# Altium PCB LED fix910 RD 2000278 (4F00224A_7P00494A).PcbDoc (part 1 of 3)
Units mm, origin at the board's own origin, x right, y up, seen from the top; angles counter-clockwise.
Board outline 400 x 428 mm, 2 copper layers (Top Layer, Bottom Layer); 462 components, 214 nets, 1551 pads, 0 vias.
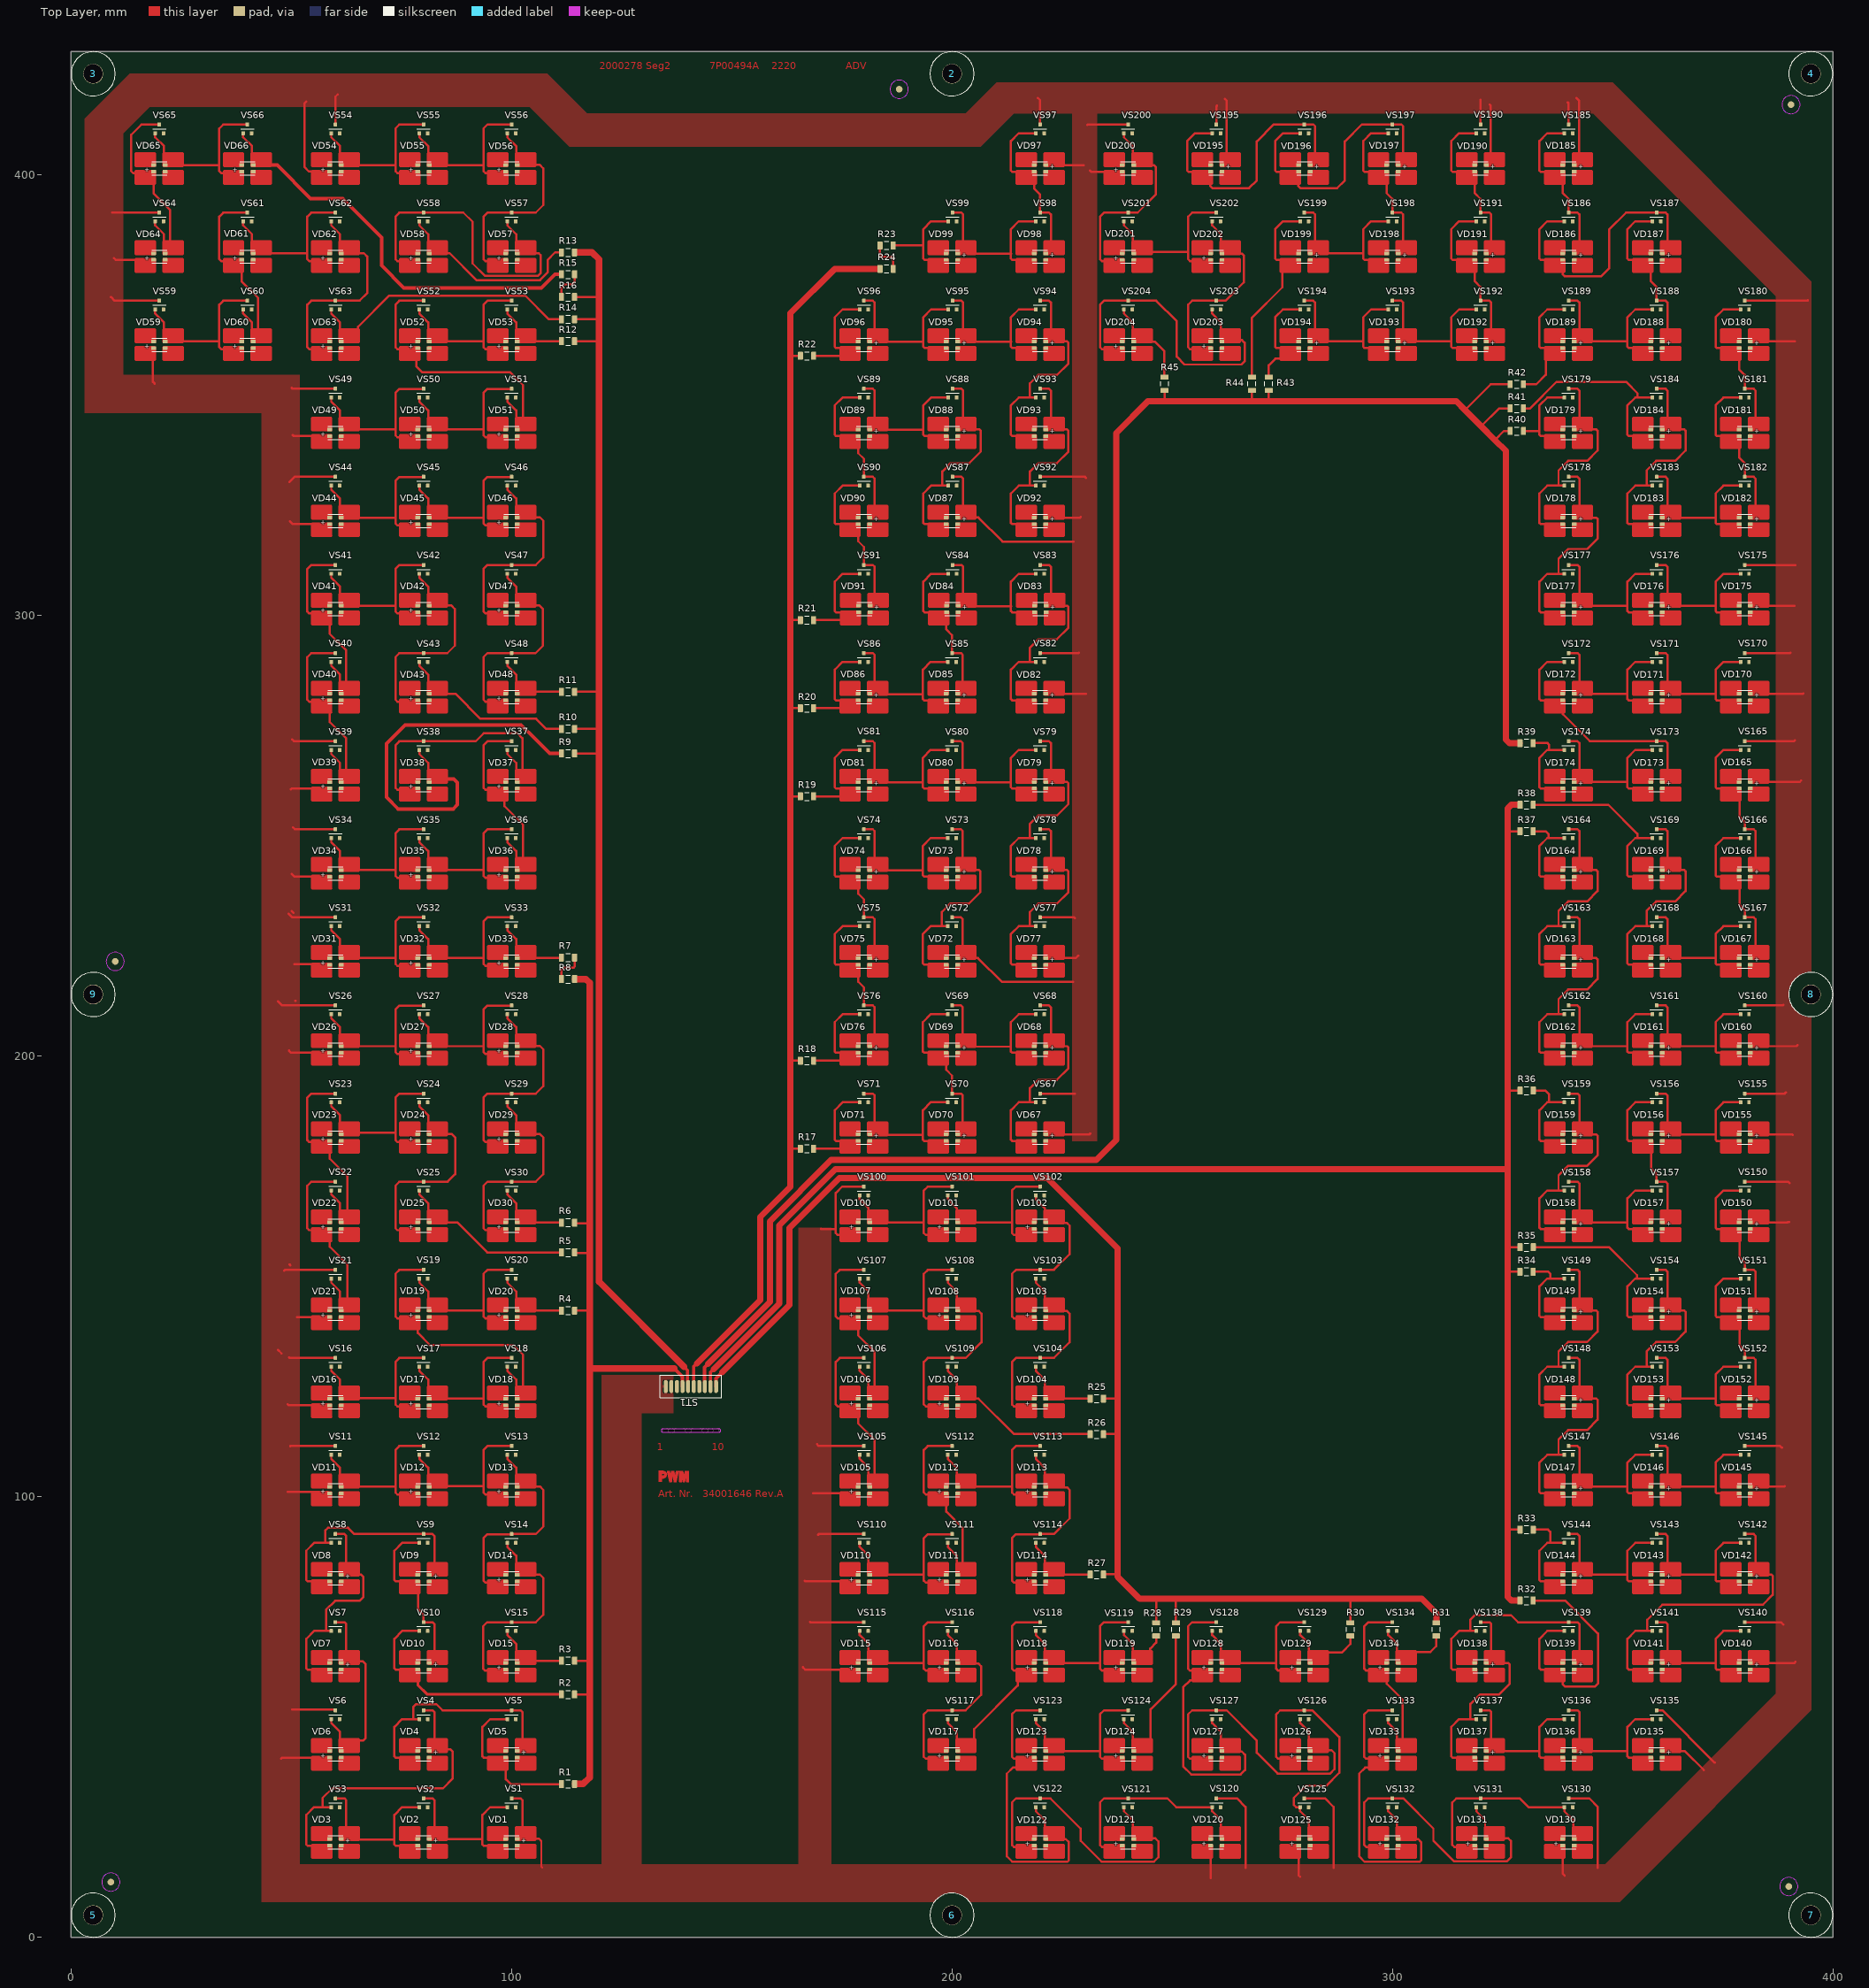
[diagram p0: Top Layer view]
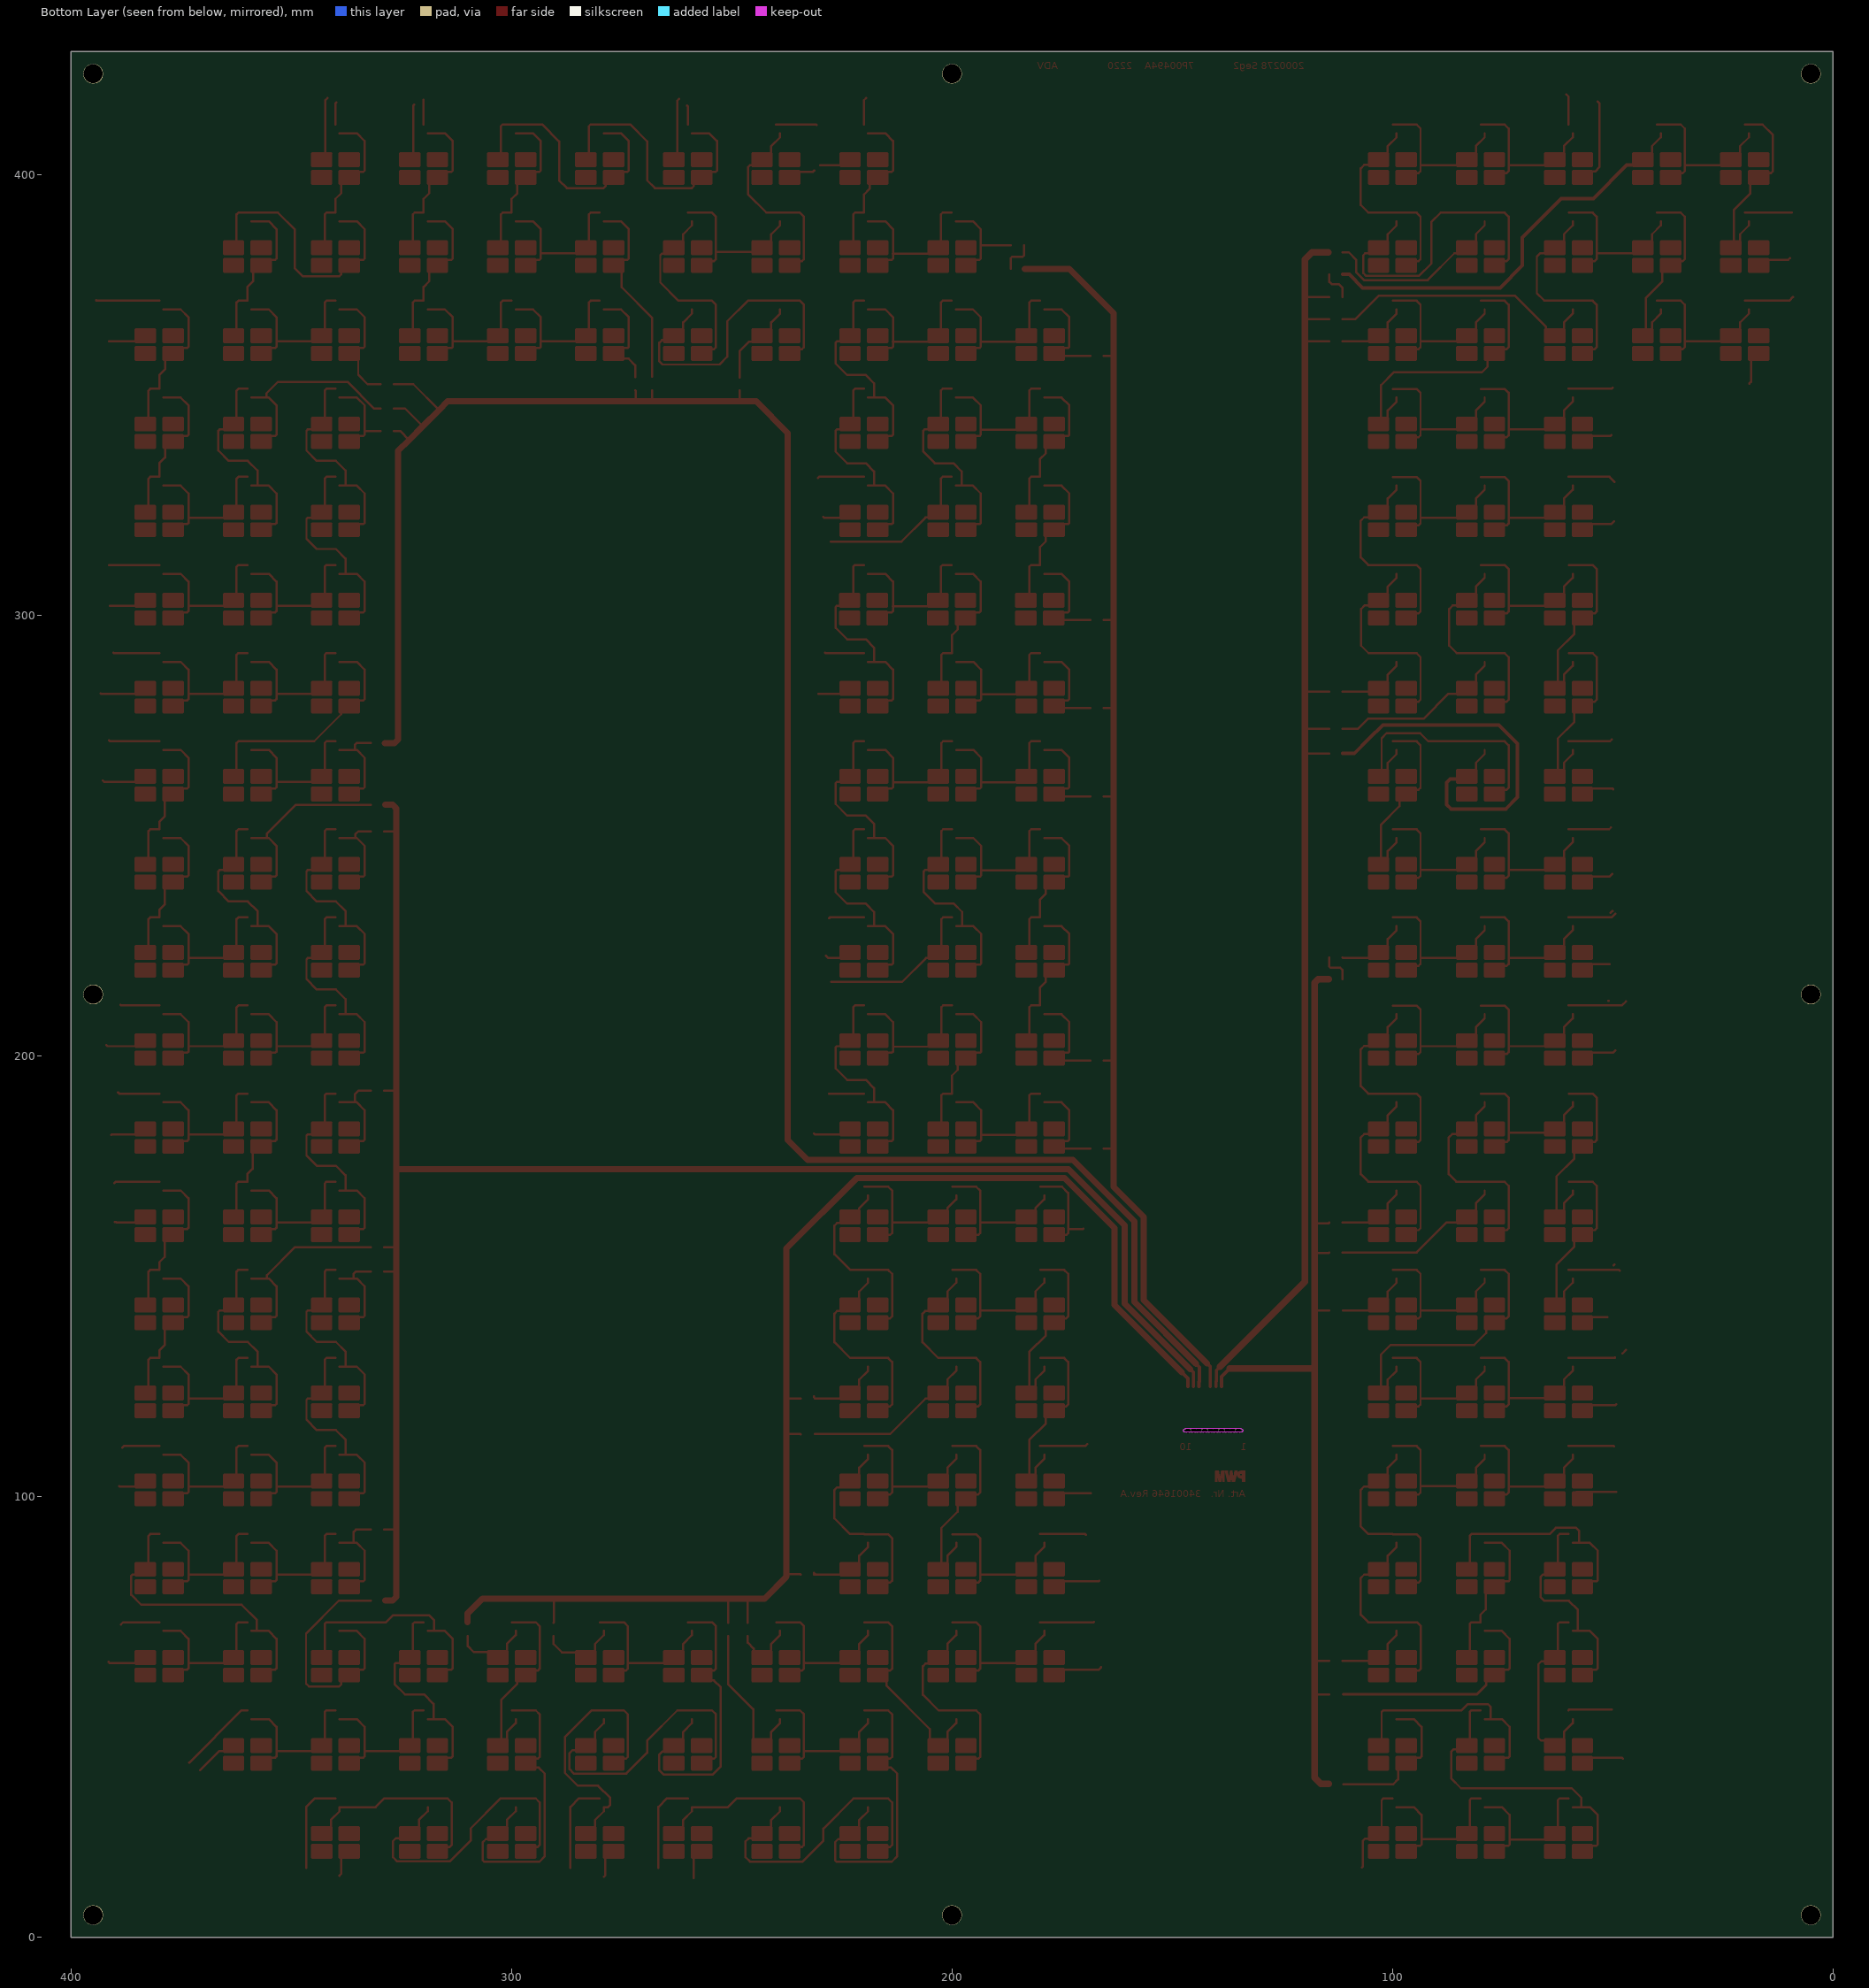
[diagram p1: Bottom Layer view, seen from below]
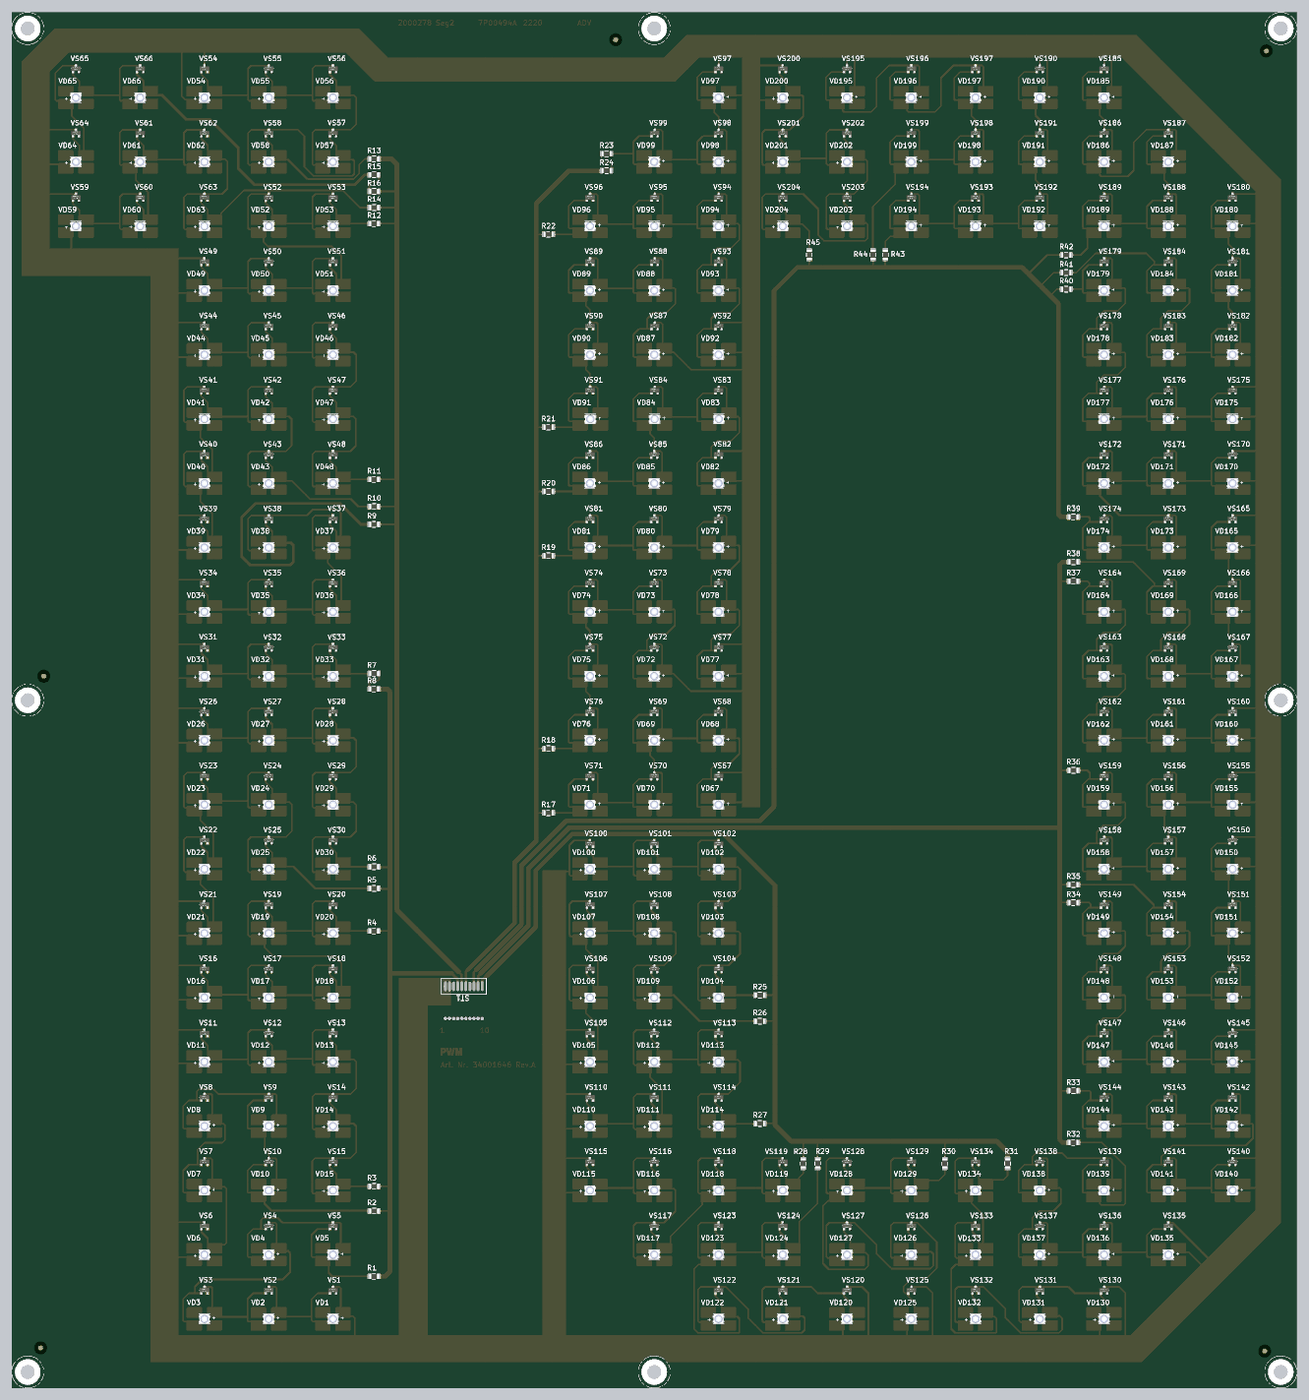
[diagram p4: 3D render of the assembled board from above, using the file's embedded part models]

## Layer stack, top to bottom
Top Solder: solder mask 0.0102, Solder Resist, Dk 3.5
Top Layer: signal copper 0.0356
Dielectric 1: dielectric 0.32, FR-4, Dk 4.8
Bottom Layer: signal copper 0.0356
Bottom Solder: solder mask 0.0102, Solder Resist, Dk 3.5

## Board outline
0,0 0,428 400,428 400,0

## Design rules (kind name [scope] priority, off if disabled: settings)
Clearance [All] p1: gap=0.3 ignorepadtopadclearanceinfootprint=FALSE
HoleSize [All] p1: absolutevalues=TRUE maxlimit=5 minlimit=0.025 maxpercent=80.000 minpercent=20.000
PlaneConnect [All] p1: planeconnectstyle=Relief reliefexpansion=0.508 reliefentries=4 reliefconductorwidth=0.5 reliefairgap=0.254
PolygonConnect PolygonConnect_1 [IsPolygon And InNet('ULED') And OnLayer('Top Layer') vs IsPad] p1: connectstyle=Relief reliefconductorwidth=0.75 reliefentries=4 polygonreliefangle="90 Angle" airgapwidth=0.254
PolygonConnect [All] p2: connectstyle=Relief reliefconductorwidth=0.254 reliefentries=4 polygonreliefangle="90 Angle" airgapwidth=0.254
RoutingVias [All] p1: holewidth=5 width=1.27 viastyle="Through Hole" minholewidth=0.1 minwidth=0.1 maxholewidth=10 maxwidth=10
SolderMaskExpansion [All] p1: expansion=0.102 istentingtop=FALSE
Width [All] p1: maxlimit=20 minlimit=0.1 preferedwidth=0.254
28 further rules are at their usual default settings.

## Classes and differential pairs
component class "Components Class 2": R1 VD1 VD2 VD3 VD4 VD5 VS1 VS2 VS3 VS4 VS5
component class "Components Class 1": R1 VD1 VD2 VD3 VD4 VD5 VS1 VS2
component class "LED fix910 RD 2000278 (4F00224A_7P00494A)_2": R25 R26 R27 R28 R29 R30 R31 R32 R33 R34 R35 R36 R37 R38 R39 R40 R41 R42 R43 R44 R45 VD100 VD101 VD102 VD103 VD104 VD105 VD106 VD107 VD108 VD109 VD110 VD111 VD112 VD113 VD114 VD115 VD116 VD117 VD118 VD119 VD120 VD121 VD122 VD123 VD124 VD125 VD126 VD127 VD128 VD129 VD130 VD131 VD132 VD133 VD134 VD135 VD136 VD137 VD138 VD139 VD140 VD141 VD142 VD143 VD144 VD145 VD146 VD147 VD148 VD149 VD150 VD151 VD152 VD153 VD154 VD155 VD156 VD157 VD158 VD159 VD160 VD161 VD162 VD163 VD164 VD165 VD166 VD167 VD168 VD169 VD170 VD171 VD172 VD173 VD174 VD175 VD176 VD177 VD178 VD179 VD180 VD181 VD182 VD183 VD184 VD185 VD186 VD187 VD188 VD189 VD190 VD191 VD192 VD193 VD194 VD195 VD196 VD197 VD198 VD199 VD200 VD201 VD202 VD203 VD204 VS100 VS101 VS102 VS103 VS104 VS105 VS106 VS107 VS108 VS109 VS110 VS111 VS112 VS113 VS114 VS115 VS116 VS117 VS118 VS119 VS120 VS121 VS122 VS123 VS124 VS125 VS126 VS127 VS128 VS129 VS130 VS131 VS132 VS133 VS134 VS135 VS136 VS137 VS138 VS139 VS140 VS141 VS142 VS143 VS144 VS145 VS146 VS147 VS148 VS149 VS150 VS151 VS152 VS153 VS154 VS155 VS156 VS157 VS158 VS159 VS160 VS161 VS162 VS163 VS164 VS165 VS166 VS167 VS168 VS169 VS170 VS171 VS172 VS173 VS174 VS175 VS176 VS177 VS178 VS179 VS180 VS181 VS182 VS183 VS184 VS185 VS186 VS187 VS188 VS189 VS190 VS191 VS192 VS193 VS194 VS195 VS196 VS197 VS198 VS199 VS200 VS201 VS202 VS203 VS204
component class "LED fix910 RD 2000278 (4F00224A_7P00494A)_1": R1 R2 R3 R4 R5 R6 R7 R8 R9 R10 R11 R12 R13 R14 R15 R16 R17 R18 R19 R20 R21 R22 R23 R24 VD1 VD2 VD3 VD4 VD5 VD6 VD7 VD8 VD9 VD10 VD11 VD12 VD13 VD14 VD15 VD16 VD17 VD18 VD19 VD20 VD21 VD22 VD23 VD24 VD25 VD26 VD27 VD28 VD29 VD30 VD31 VD32 VD33 VD34 VD35 VD36 VD37 VD38 VD39 VD40 VD41 VD42 VD43 VD44 VD45 VD46 VD47 VD48 VD49 VD50 VD51 VD52 VD53 VD54 VD55 VD56 VD57 VD58 VD59 VD60 VD61 VD62 VD63 VD64 VD65 VD66 VD67 VD68 VD69 VD70 VD71 VD72 VD73 VD74 VD75 VD76 VD77 VD78 VD79 VD80 VD81 VD82 VD83 VD84 VD85 VD86 VD87 VD88 VD89 VD90 VD91 VD92 VD93 VD94 VD95 VD96 VD97 VD98 VD99 VS1 VS2 VS3 VS4 VS5 VS6 VS7 VS8 VS9 VS10 VS11 VS12 VS13 VS14 VS15 VS16 VS17 VS18 VS19 VS20 VS21 VS22 VS23 VS24 VS25 VS26 VS27 VS28 VS29 VS30 VS31 VS32 VS33 VS34 VS35 VS36 VS37 VS38 VS39 VS40 VS41 VS42 VS43 VS44 VS45 VS46 VS47 VS48 VS49 VS50 VS51 VS52 VS53 VS54 VS55 VS56 VS57 VS58 VS59 VS60 VS61 VS62 VS63 VS64 VS65 VS66 VS67 VS68 VS69 VS70 VS71 VS72 VS73 VS74 VS75 VS76 VS77 VS78 VS79 VS80 VS81 VS82 VS83 VS84 VS85 VS86 VS87 VS88 VS89 VS90 VS91 VS92 VS93 VS94 VS95 VS96 VS97 VS98 VS99

## Components (designator, comment, footprint, x,y, rotation, side; value= is the part's Value field where it differs from the comment)
2 "" DRILL4.3 200,423 r0 top
3 "" DRILL4.3 5,423 r0 top
4 "" DRILL4.3 395,423 r0 top
5 "" DRILL4.3 5,5 r0 top
6 "" DRILL4.3 200,5 r0 top
7 "" DRILL4.3 395,5 r0 top
8 "" DRILL4.3 395,214 r0 top
9 "" DRILL4.3 5,214 r0 top
R1 "R1206S" RC1206S 112.8,34.775 r0 top value=Pos.20
R2 "R1206S" RC1206S 112.8,55.1 r0 top value=Pos.20
R3 "R1206S" RC1206S 112.8,62.762 r0 top value=Pos.20
R4 "R1206S" RC1206S 112.8,142.225 r0 top value=Pos.20
R5 "R1206S" RC1206S 112.8,155.45 r0 top value=Pos.20
R6 "R1206S" RC1206S 112.8,162.2 r0 top value=Pos.20
R7 "R1206S" RC1206S 112.8,222.372 r0 top value=Pos.21
R8 "R1206S" RC1206S 112.8,217.511 r0 top value=Pos.20
R9 "R1206S" RC1206S 112.8,268.7 r0 top value=Pos.20
R10 "R1206S" RC1206S 112.8,274.279 r0 top value=Pos.20
R11 "R1206S" RC1206S 112.8,282.707 r0 top value=Pos.20
R12 "R1206S" RC1206S 112.8,362.291 r0 top value=Pos.20
R13 "R1206S" RC1206S 112.8,382.451 r0 top value=Pos.20
R14 "R1206S" RC1206S 112.8,367.275 r0 top value=Pos.20
R15 "R1206S" RC1206S 112.8,377.475 r0 top value=Pos.21
R16 "R1206S" RC1206S 112.8,372.325 r0 top value=Pos.20
R17 "R1206S" RC1206S 167.075,178.975 r180 top value=Pos.20
R18 "R1206S" RC1206S 167.075,198.975 r180 top value=Pos.20
R19 "R1206S" RC1206S 167.075,258.975 r180 top value=Pos.20
R20 "R1206S" RC1206S 167.075,278.975 r180 top value=Pos.20
R21 "R1206S" RC1206S 167.075,298.975 r180 top value=Pos.20
R22 "R1206S" RC1206S 167.075,358.975 r180 top value=Pos.20
R23 "R1206S" RC1206S 185.151,384.025 r180 top value=Pos.21
R24 "R1206S" RC1206S 185.151,378.73 r180 top value=Pos.20
R25 "R1206S" RC1206S 232.875,122.25 r0 top value=Pos.20
R26 "R1206S" RC1206S 232.875,114.15 r0 top value=Pos.20
R27 "R1206S" RC1206S 232.875,82.325 r0 top value=Pos.20
R28 "R1206S" RC1206S 246.375,69.875 r90 top value=Pos.20
R29 "R1206S" RC1206S 250.836,69.875 r90 top value=Pos.20
R30 "R1206S" RC1206S 290.45,69.875 r90 top value=Pos.20
R31 "R1206S" RC1206S 309.95,69.875 r90 top value=Pos.20
R32 "R1206S" RC1206S 330.47,76.411 r180 top value=Pos.20
R33 "R1206S" RC1206S 330.475,92.5 r180 top value=Pos.20
R34 "R1206S" RC1206S 330.47,151.05 r180 top value=Pos.20
R35 "R1206S" RC1206S 330.475,156.625 r180 top value=Pos.20
R36 "R1206S" RC1206S 330.475,192.2 r180 top value=Pos.20
R37 "R1206S" RC1206S 330.47,251.05 r180 top value=Pos.20
R38 "R1206S" RC1206S 330.47,257.053 r180 top value=Pos.20
R39 "R1206S" RC1206S 330.47,271.05 r180 top value=Pos.20
R40 "R1206S" RC1206S 328.245,341.9 r180 top value=Pos.20
R41 "R1206S" RC1206S 328.245,347.049 r180 top value=Pos.20
R42 "R1206S" RC1206S 328.245,352.528 r180 top value=Pos.20
R43 "R1206S" RC1206S 271.921,352.629 r270 top value=Pos.20
R44 "R1206S" RC1206S 268.1,352.625 r270 top value=Pos.20
R45 "R1206S" RC1206S 248.25,352.625 r270 top value=Pos.20
ST1 "BAND10_M" BAND10_M 135,125 r180 top
VD1 "LED, LS E65F-BBDA-1-Z, Red, OSRAM Opto Semiconductors Inc." E65F 100,21.5 r0 top value="LS E65F-BBDA-1-Z"
VD2 "LED, LS E65F-BBDA-1-Z, Red, OSRAM Opto Semiconductors Inc." E65F 80,21.5 r0 top value="LS E65F-BBDA-1-Z"
VD3 "LED, LS E65F-BBDA-1-Z, Red, OSRAM Opto Semiconductors Inc." E65F 60,21.5 r0 top value="LS E65F-BBDA-1-Z"
VD4 "LED, LS E65F-BBDA-1-Z, Red, OSRAM Opto Semiconductors Inc." E65F 80,41.5 r0 top value="LS E65F-BBDA-1-Z"
VD5 "LED, LS E65F-BBDA-1-Z, Red, OSRAM Opto Semiconductors Inc." E65F 100,41.5 r0 top value="LS E65F-BBDA-1-Z"
VD6 "LED, LS E65F-BBDA-1-Z, Red, OSRAM Opto Semiconductors Inc." E65F 60,41.5 r180 top value="LS E65F-BBDA-1-Z"
VD7 "LED, LS E65F-BBDA-1-Z, Red, OSRAM Opto Semiconductors Inc." E65F 60,61.5 r0 top value="LS E65F-BBDA-1-Z"
VD8 "LED, LS E65F-BBDA-1-Z, Red, OSRAM Opto Semiconductors Inc." E65F 60,81.5 r0 top value="LS E65F-BBDA-1-Z"
VD9 "LED, LS E65F-BBDA-1-Z, Red, OSRAM Opto Semiconductors Inc." E65F 80,81.5 r0 top value="LS E65F-BBDA-1-Z"
VD10 "LED, LS E65F-BBDA-1-Z, Red, OSRAM Opto Semiconductors Inc." E65F 80,61.5 r0 top value="LS E65F-BBDA-1-Z"
VD11 "LED, LS E65F-BBDA-1-Z, Red, OSRAM Opto Semiconductors Inc." E65F 60,101.5 r180 top value="LS E65F-BBDA-1-Z"
VD12 "LED, LS E65F-BBDA-1-Z, Red, OSRAM Opto Semiconductors Inc." E65F 80,101.5 r180 top value="LS E65F-BBDA-1-Z"
VD13 "LED, LS E65F-BBDA-1-Z, Red, OSRAM Opto Semiconductors Inc." E65F 100,101.5 r180 top value="LS E65F-BBDA-1-Z"
VD14 "LED, LS E65F-BBDA-1-Z, Red, OSRAM Opto Semiconductors Inc." E65F 100,81.5 r180 top value="LS E65F-BBDA-1-Z"
VD15 "LED, LS E65F-BBDA-1-Z, Red, OSRAM Opto Semiconductors Inc." E65F 100,61.5 r180 top value="LS E65F-BBDA-1-Z"
VD16 "LED, LS E65F-BBDA-1-Z, Red, OSRAM Opto Semiconductors Inc." E65F 60,121.5 r180 top value="LS E65F-BBDA-1-Z"
VD17 "LED, LS E65F-BBDA-1-Z, Red, OSRAM Opto Semiconductors Inc." E65F 80,121.5 r180 top value="LS E65F-BBDA-1-Z"
VD18 "LED, LS E65F-BBDA-1-Z, Red, OSRAM Opto Semiconductors Inc." E65F 100,121.5 r180 top value="LS E65F-BBDA-1-Z"
VD19 "LED, LS E65F-BBDA-1-Z, Red, OSRAM Opto Semiconductors Inc." E65F 80,141.5 r180 top value="LS E65F-BBDA-1-Z"
VD20 "LED, LS E65F-BBDA-1-Z, Red, OSRAM Opto Semiconductors Inc." E65F 100,141.5 r180 top value="LS E65F-BBDA-1-Z"
VD21 "LED, LS E65F-BBDA-1-Z, Red, OSRAM Opto Semiconductors Inc." E65F 60,141.5 r180 top value="LS E65F-BBDA-1-Z"
VD22 "LED, LS E65F-BBDA-1-Z, Red, OSRAM Opto Semiconductors Inc." E65F 60,161.5 r180 top value="LS E65F-BBDA-1-Z"
VD23 "LED, LS E65F-BBDA-1-Z, Red, OSRAM Opto Semiconductors Inc." E65F 60,181.5 r180 top value="LS E65F-BBDA-1-Z"
VD24 "LED, LS E65F-BBDA-1-Z, Red, OSRAM Opto Semiconductors Inc." E65F 80,181.5 r180 top value="LS E65F-BBDA-1-Z"
VD25 "LED, LS E65F-BBDA-1-Z, Red, OSRAM Opto Semiconductors Inc." E65F 80,161.5 r180 top value="LS E65F-BBDA-1-Z"
VD26 "LED, LS E65F-BBDA-1-Z, Red, OSRAM Opto Semiconductors Inc." E65F 60,201.5 r180 top value="LS E65F-BBDA-1-Z"
VD27 "LED, LS E65F-BBDA-1-Z, Red, OSRAM Opto Semiconductors Inc." E65F 80,201.5 r180 top value="LS E65F-BBDA-1-Z"
VD28 "LED, LS E65F-BBDA-1-Z, Red, OSRAM Opto Semiconductors Inc." E65F 100,201.5 r180 top value="LS E65F-BBDA-1-Z"
VD29 "LED, LS E65F-BBDA-1-Z, Red, OSRAM Opto Semiconductors Inc." E65F 100,181.5 r180 top value="LS E65F-BBDA-1-Z"
VD30 "LED, LS E65F-BBDA-1-Z, Red, OSRAM Opto Semiconductors Inc." E65F 100,161.5 r180 top value="LS E65F-BBDA-1-Z"
VD31 "LED, LS E65F-BBDA-1-Z, Red, OSRAM Opto Semiconductors Inc." E65F 60,221.5 r180 top value="LS E65F-BBDA-1-Z"
VD32 "LED, LS E65F-BBDA-1-Z, Red, OSRAM Opto Semiconductors Inc." E65F 80,221.5 r180 top value="LS E65F-BBDA-1-Z"
VD33 "LED, LS E65F-BBDA-1-Z, Red, OSRAM Opto Semiconductors Inc." E65F 100,221.5 r180 top value="LS E65F-BBDA-1-Z"
VD34 "LED, LS E65F-BBDA-1-Z, Red, OSRAM Opto Semiconductors Inc." E65F 60,241.5 r180 top value="LS E65F-BBDA-1-Z"
VD35 "LED, LS E65F-BBDA-1-Z, Red, OSRAM Opto Semiconductors Inc." E65F 80,241.5 r180 top value="LS E65F-BBDA-1-Z"
VD36 "LED, LS E65F-BBDA-1-Z, Red, OSRAM Opto Semiconductors Inc." E65F 100,241.5 r180 top value="LS E65F-BBDA-1-Z"
VD37 "LED, LS E65F-BBDA-1-Z, Red, OSRAM Opto Semiconductors Inc." E65F 100,261.5 r180 top value="LS E65F-BBDA-1-Z"
VD38 "LED, LS E65F-BBDA-1-Z, Red, OSRAM Opto Semiconductors Inc." E65F 80,261.5 r180 top value="LS E65F-BBDA-1-Z"
VD39 "LED, LS E65F-BBDA-1-Z, Red, OSRAM Opto Semiconductors Inc." E65F 60,261.5 r180 top value="LS E65F-BBDA-1-Z"
VD40 "LED, LS E65F-BBDA-1-Z, Red, OSRAM Opto Semiconductors Inc." E65F 60,281.5 r180 top value="LS E65F-BBDA-1-Z"
VD41 "LED, LS E65F-BBDA-1-Z, Red, OSRAM Opto Semiconductors Inc." E65F 60,301.5 r180 top value="LS E65F-BBDA-1-Z"
VD42 "LED, LS E65F-BBDA-1-Z, Red, OSRAM Opto Semiconductors Inc." E65F 80,301.5 r180 top value="LS E65F-BBDA-1-Z"
VD43 "LED, LS E65F-BBDA-1-Z, Red, OSRAM Opto Semiconductors Inc." E65F 80,281.5 r180 top value="LS E65F-BBDA-1-Z"
VD44 "LED, LS E65F-BBDA-1-Z, Red, OSRAM Opto Semiconductors Inc." E65F 60,321.5 r180 top value="LS E65F-BBDA-1-Z"
VD45 "LED, LS E65F-BBDA-1-Z, Red, OSRAM Opto Semiconductors Inc." E65F 80,321.5 r180 top value="LS E65F-BBDA-1-Z"
VD46 "LED, LS E65F-BBDA-1-Z, Red, OSRAM Opto Semiconductors Inc." E65F 100,321.5 r180 top value="LS E65F-BBDA-1-Z"
VD47 "LED, LS E65F-BBDA-1-Z, Red, OSRAM Opto Semiconductors Inc." E65F 100,301.5 r180 top value="LS E65F-BBDA-1-Z"
VD48 "LED, LS E65F-BBDA-1-Z, Red, OSRAM Opto Semiconductors Inc." E65F 100,281.5 r180 top value="LS E65F-BBDA-1-Z"